# Altium PCB TempdevAmmy1009.PcbDoc (part 3 of 4) (continued)
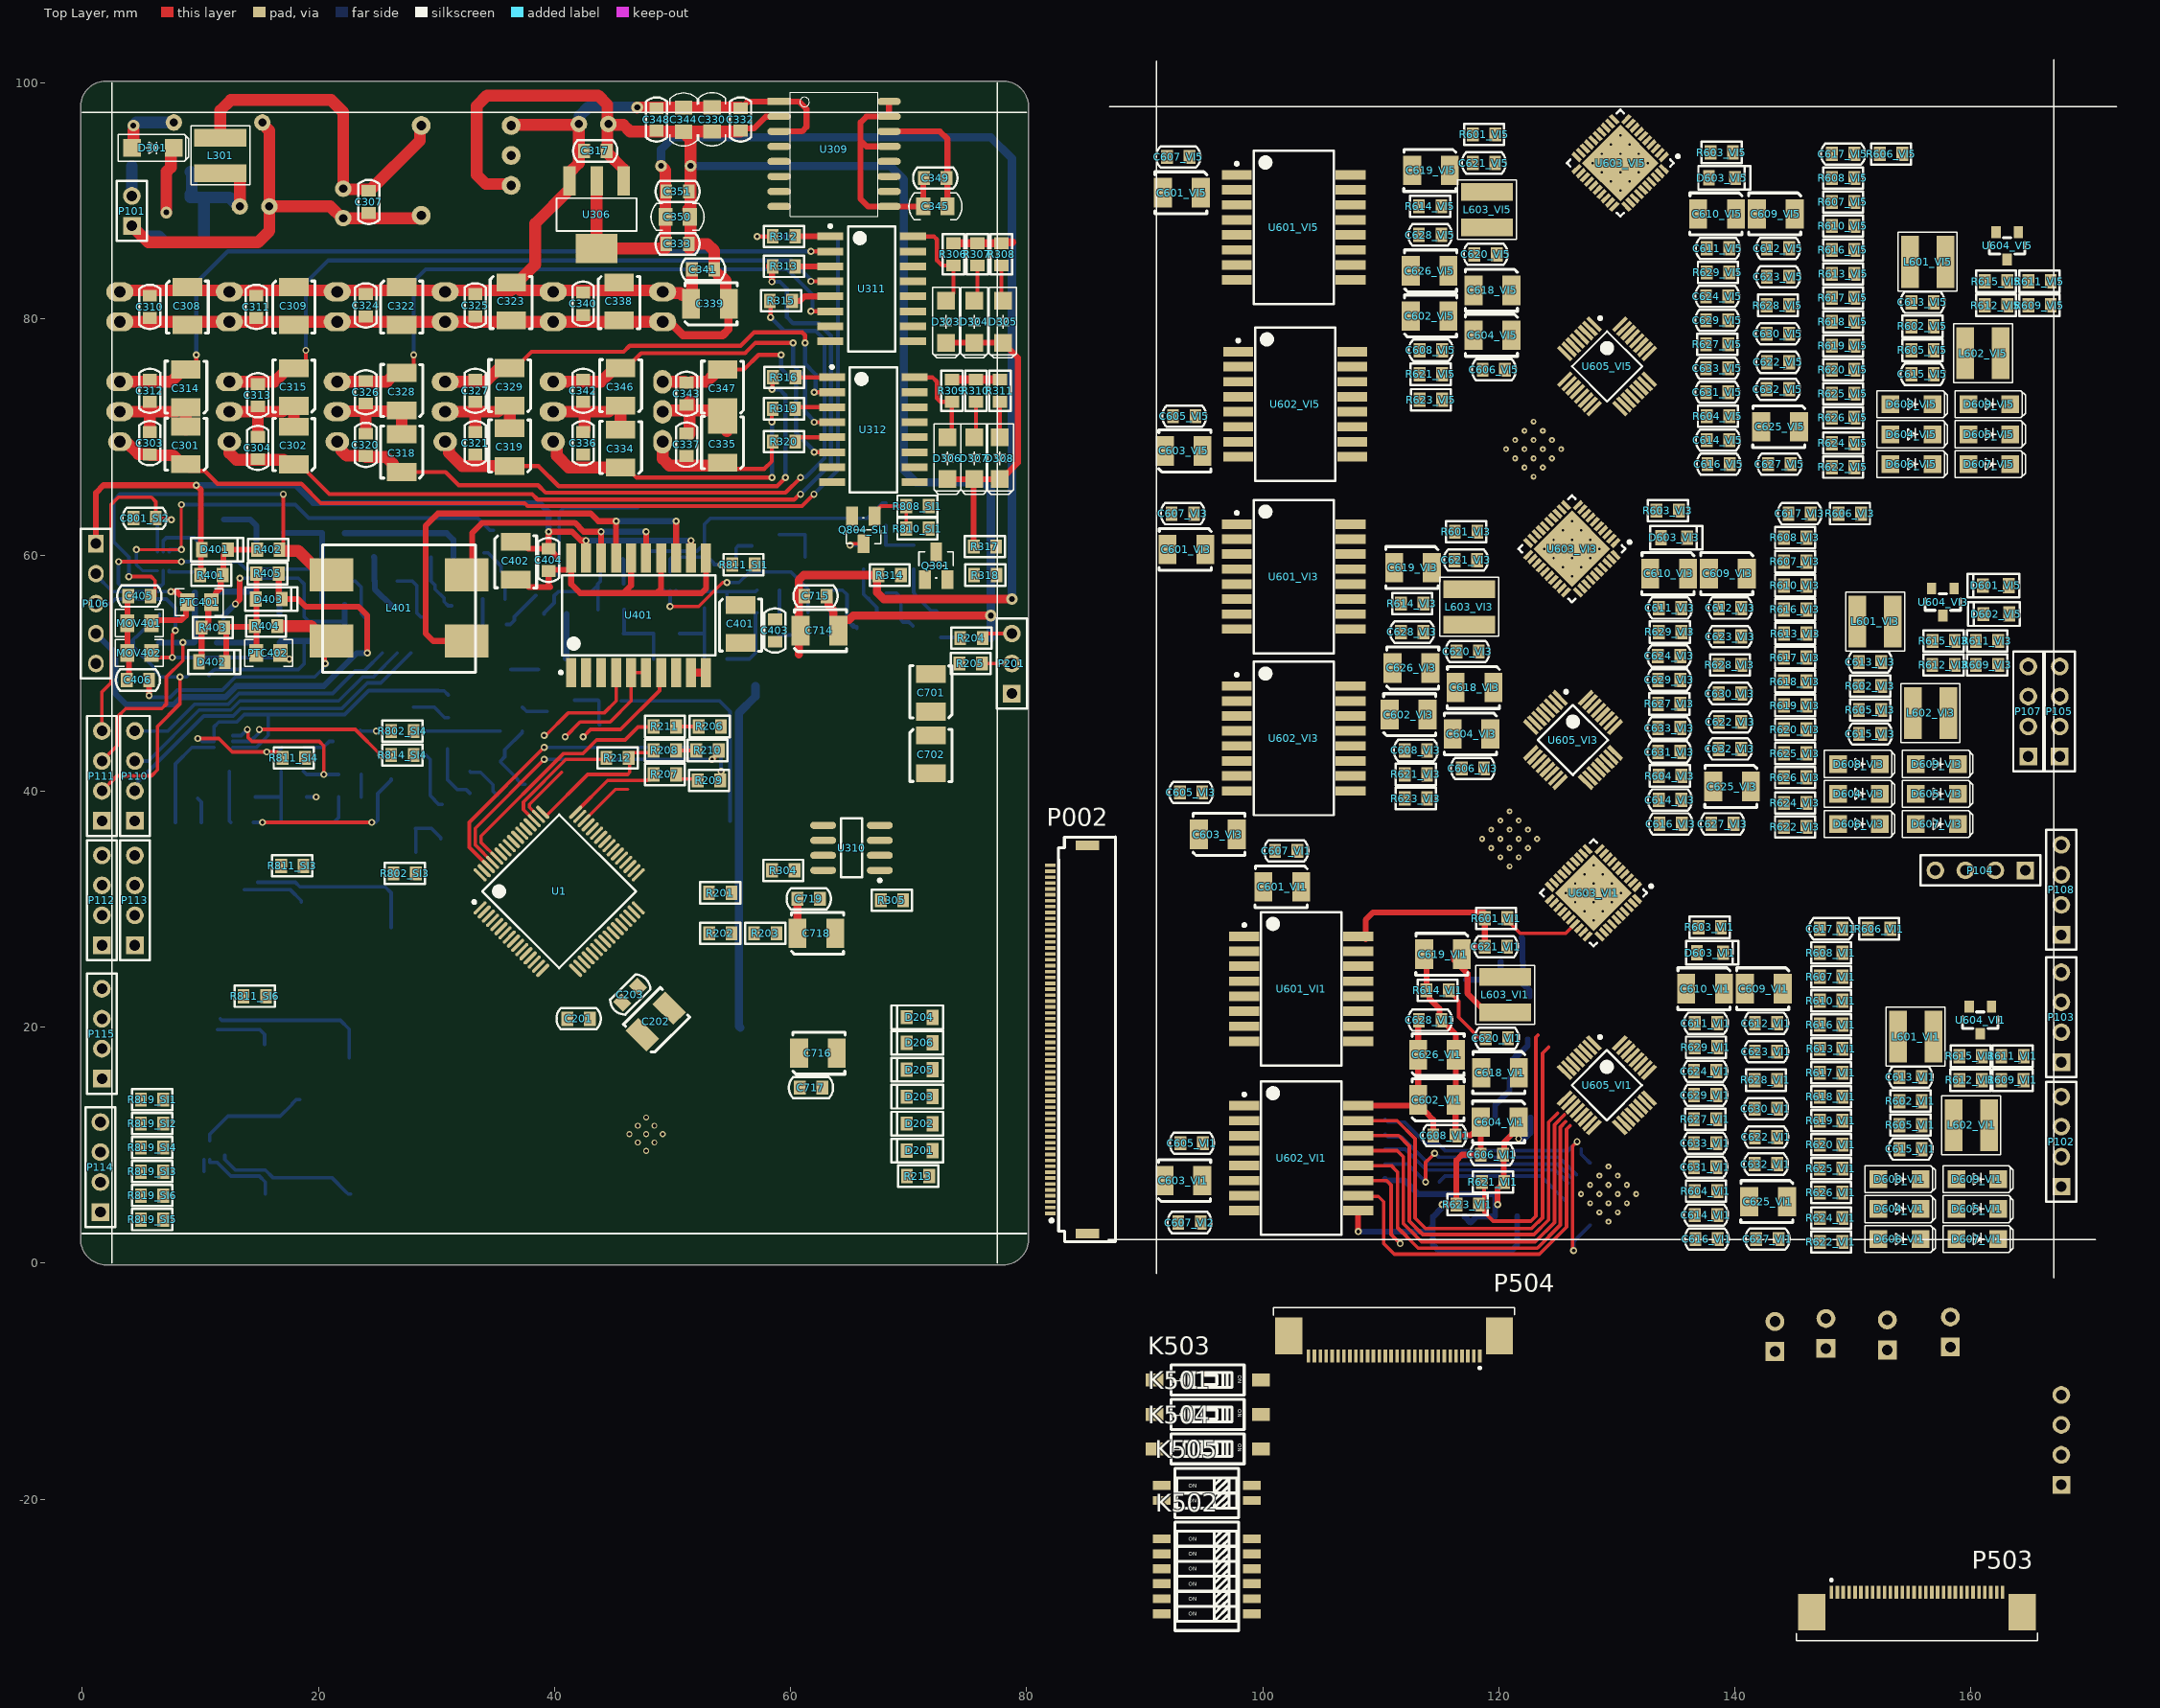
[diagram p0: Top Layer view]
## Nets (pads, with @x,y where several pads share a name; then routed paths per layer and width w, separated by ;. In a path a pad name is that pad's centre, name@x,y a point inside that pad or via, vN(x,y) a via of type N, cw(c..) or ccw(c..) an arc to the next point about the centre after c; other vN are vias at no path point) (continued)
5VIN: C308.1 C309.1 C310.2 C311.2 C316.1 C317.2 C322.1 C323.1 C324.2 C325.2 C330.1 C332.2 C338.1 C339.1 C340.2 C341.2 C344.1 C348.2 U301.1 U302.1 U303.5 U304.1 U305.1 U306.3 U307.1 U308.1 U309.1 U309.3 | length 98.7
  Top Layer w0.5: C332.2@55.753,97.933 55.903,97.933 56.395,98.425 U309.1@59.026,98.425 60.706,98.425 61.341,97.79 61.341,96.266 60.96,95.885 U309.3@59.026,95.885
  Top Layer w1: U301.1@3.175,82.296 3.29,82.411 C323.1@36.322,82.411 ; C323.1@36.322,82.767 C323.1@37.072,82.767 ; C323.1@36.322,83.083 C323.1@36.81,83.083 ; U303.5@36.322,96.393 36.386,96.456 41.993,96.456 C316.1@42.057,96.52 42.057,93.197 41.261,92.401 U306.3@41.261,91.694 41.261,90.987 38.354,88.08 38.354,84.607 37.072,83.325 37.072,82.837 C323.1@36.81,82.575 ; C323.1@37.072,82.411 U308.1@49.149,82.411 ; v4@46.99,97.917 v4(47.006,97.933) 48.641,97.933 C332.2@55.753,97.933 ; U308.1@49.149,82.296 49.264,82.181 50.661,82.181 50.812,82.03 51.3,82.03 C339.1@51.562,81.768 ; C339.1@51.562,81.28 C339.1@51.562,81.768 ; C341.2@51.628,84.201 51.628,81.834 C339.1@51.562,81.768
  Bottom Layer w1: C316.1@42.057,96.52 42.134,96.597 42.134,97.224 42.843,97.933 v4(47.006,97.933)
5VLDO: R609_VI1.1 R609_VI2.1 R609_VI3.1 R609_VI4.1 R609_VI5.1 R609_VI6.1 R611_VI1.1 R611_VI2.1 R611_VI3.1 R611_VI4.1 R611_VI5.1 R611_VI6.1 R612_VI1.1 R612_VI2.1 R612_VI3.1 R612_VI4.1 R612_VI5.1 R612_VI6.1 U603_VI1.3 U603_VI2.3 U603_VI3.3 U603_VI4.3 U603_VI5.3 U603_VI6.3 U604_VI1.1 U604_VI2.1 U604_VI3.1 U604_VI4.1 U604_VI5.1 U604_VI6.1
15V1: C301.1 C303.1 C609_VI1.1 C612_VI1.1 D605_VI1.2 D607_VI1.2 D609_VI1.2 R312.2 R609_VI1.2 R611_VI1.2 U301.6 U603_VI1.2 | length 91.6
  Top Layer w0.35: C301.1@8.763,67.412 9.038,67.137 10.333,67.137 11.43,66.04 18.542,66.04 20.193,64.389 37.465,64.389 37.719,64.135 60.96,64.135 v2(61.976,65.151) ; v2(57.15,86.995) R312.2@58.404,86.995 ; R312.2@58.357,86.948 R312.2@58.404,86.995 ; R312.2@58.486,86.995 R312.2@58.404,86.995
  Top Layer w1: U301.6@3.175,69.596 3.687,69.596 4.73,68.553 5.615,68.553 5.715,68.453 7.681,68.453 C301.1@8.267,67.867
  Bottom Layer w0.35: v2(57.15,86.995) 63.754,86.995 64.008,86.741 64.008,67.183 v2(61.976,65.151)
15V2: C302.1 C304.1 C609_VI2.1 C612_VI2.1 D605_VI2.2 D607_VI2.2 D609_VI2.2 R313.2 R609_VI2.2 R611_VI2.2 U302.6 U603_VI2.2 | length 75.3
  Top Layer w0.35: C302.1@17.907,67.666 18.395,67.666 20.91,65.151 38.1,65.151 38.566,64.685 60.299,64.685 60.765,65.151 v2(60.833,65.151)
  Top Layer w0.5: v2(58.404,83.145) 58.423,83.164 58.423,84.436 R313.2@58.404,84.455
  Top Layer w1: U302.6@12.446,69.596 12.446,68.642 13.032,68.056 14.859,68.056 17.029,68.056 17.419,67.666 C302.1@17.907,67.666 ; R313.2@58.404,84.455 R313.2@58.42,84.439
  Bottom Layer w0.35: v2(58.404,83.145) 59.095,83.145 59.69,82.55 59.69,80.137 60.198,79.629 62.357,79.629 63.415,78.571 63.415,67.717 60.849,65.151 v2(60.833,65.151)
15V3: C318.1 C320.1 C609_VI3.1 C612_VI3.1 D605_VI3.2 D607_VI3.2 D609_VI3.2 R315.2 R609_VI3.2 R611_VI3.2 U304.6 U603_VI3.2 | length 61.6
  Top Layer w0.35: C318.1@27.051,67.031 30.759,67.031 31.877,65.913 38.608,65.913 39.243,65.278 59.563,65.278 v2(60.833,66.548) ; R315.2@58.232,81.534 58.293,81.473 v2(58.293,80.137)
  Top Layer w1: U304.6@21.59,69.596 21.628,69.596 21.905,69.319 21.905,68.896 22.391,68.41 23.903,68.41 24.003,68.31 25.715,68.31 26.301,67.724 26.301,67.293 26.563,67.031 C318.1@27.051,67.031
  Bottom Layer w0.35: v2(58.293,80.137) 59.436,78.994 62.103,78.994 62.865,78.232 62.865,68.199 61.257,66.591 60.876,66.591 v2(60.833,66.548)
15V4: C319.1 C321.1 C609_VI4.1 C612_VI4.1 D605_VI4.2 D607_VI4.2 D609_VI4.2 R316.2 R609_VI4.2 R611_VI4.2 U305.6 U603_VI4.2 | length 40.5
  Top Layer w0.35: C319.1@36.195,67.539 38.633,67.539 40.344,65.828 58.843,65.828 v2(59.563,66.548) ; v2(58.42,74.041) 58.461,74.082 58.461,75.016 R316.2@58.502,75.057
  Top Layer w1: U305.6@30.734,69.596 30.772,69.596 31.049,69.319 31.049,68.658 32.168,67.539 C319.1@36.195,67.539
  Bottom Layer w0.35: v2(58.42,74.041) 59.055,74.041 59.563,73.533 v2(59.563,66.548)
15V5: C334.1 C336.1 C609_VI5.1 C612_VI5.1 D605_VI5.2 D607_VI5.2 D609_VI5.2 R319.2 R609_VI5.2 R611_VI5.2 U307.6 U603_VI5.2 | length 26.3
  Top Layer w0.35: C334.1@45.593,67.412 46.081,67.412 46.945,66.548 v2(58.42,66.548) ; v2(58.404,71.263) R319.2@58.404,72.39
  Top Layer w1: U307.6@39.878,69.596 39.916,69.596 40.193,69.319 40.193,68.404 41.185,67.412 C334.1@45.593,67.412
  Bottom Layer w0.35: v2@58.404,71.39 58.412,71.382 58.412,66.556 v2(58.42,66.548)
15V6: C335.1 C337.1 C609_VI6.1 C612_VI6.1 D605_VI6.2 D607_VI6.2 D609_VI6.2 R320.2 R609_VI6.2 R611_VI6.2 U308.6 U603_VI6.2 | length 12.9
  Top Layer w0.35: C335.1@54.229,67.285 57.76,67.285 58.404,67.929 R320.2@58.404,69.596
  Top Layer w1: U308.6@49.149,69.596 49.155,69.59 49.155,68.15 49.741,67.564 54.127,67.564 C335.1@54.229,67.666
485WR/RD: U1.11 U401.5 U401.6 | length 10.5
  Top Layer w0.3: v2(40.894,44.577) 42.164,45.847 44.704,45.847 46.482,47.625 U401.5@46.482,50.038 U401.6@47.752,50.038
+VS_VI1: D602_VI1.2 D604_VI1.2 D605_VI1.1 P102.1 R608_VI1.1
+VS_VI2: D602_VI2.2 D604_VI2.2 D605_VI2.1 P103.1 R608_VI2.1
+VS_VI3: D602_VI3.2 D604_VI3.2 D605_VI3.1 P104.1 R608_VI3.1
+VS_VI4: D602_VI4.2 D604_VI4.2 D605_VI4.1 P105.1 R608_VI4.1
+VS_VI5: D602_VI5.2 D604_VI5.2 D605_VI5.1 P107.1 R608_VI5.1
+VS_VI6: D602_VI6.2 D604_VI6.2 D605_VI6.1 P108.1 R608_VI6.1
+VSENSE_VI1: R607_VI1.2 R608_VI1.2 U603_VI1.36
+VSENSE_VI2: R607_VI2.2 R608_VI2.2 U603_VI2.36
+VSENSE_VI3: R607_VI3.2 R608_VI3.2 U603_VI3.36
+VSENSE_VI4: R607_VI4.2 R608_VI4.2 U603_VI4.36
+VSENSE_VI5: R607_VI5.2 R608_VI5.2 U603_VI5.36
+VSENSE_VI6: R607_VI6.2 R608_VI6.2 U603_VI6.36
-15V1: C312.1 C314.2 C610_VI1.2 C611_VI1.1 D604_VI1.1 D606_VI1.1 D608_VI1.1 U301.4 U311.2 U603_VI1.29 | length 69.9
  Top Layer w0.35: C314.2@9.35,76.304 C314.2@8.763,75.717 9.065,75.717 9.652,76.304 v2(9.652,76.962) ; v2(61.722,85.725) U311.2@63.358,85.725
  Top Layer w1: U301.4@3.175,74.676 7.513,74.676 8.529,75.692 C314.2@9.017,75.692
  Bottom Layer w0.35: v2(9.652,76.962) 9.652,83.058 12.319,85.725 v2@61.849,85.725
-15V2: C313.1 C315.2 C610_VI2.2 C611_VI2.1 D604_VI2.1 D606_VI2.1 D608_VI2.1 U302.4 U311.4 U603_VI2.29 | length 60.8
  Top Layer w0.35: C315.2@18.494,76.406 C315.2@17.907,75.819 18.336,75.819 18.923,76.406 v2(18.923,77.343) ; v2(61.722,83.185) U311.4@63.358,83.185
  Top Layer w1: U302.4@12.446,74.676 16.276,74.676 17.419,75.819 C315.2@17.907,75.819
  Bottom Layer w0.35: v2(18.923,77.343) 18.923,83.058 20.828,84.963 60.071,84.963 v2@61.849,83.185
-15V3: C326.1 C328.2 C610_VI3.2 C611_VI3.1 D604_VI3.1 D606_VI3.1 D608_VI3.1 U304.4 U311.6 U603_VI3.29 | length 53
  Top Layer w0.35: C328.2@26.563,75.438 C328.2@27.051,75.438 ; C328.2@27.559,75.946 C328.2@27.051,75.438 ; v2(28.067,76.962) 28.067,76.025 27.48,75.438 C328.2@27.051,75.438 ; v2(61.722,80.645) U311.6@63.358,80.645
  Top Layer w1: U304.4@21.59,74.676 25.801,74.676 C328.2@26.563,75.438
  Bottom Layer w0.35: v2(28.067,76.962) 28.067,83.185 29.083,84.201 59.69,84.201 61.849,82.042 v2@61.849,80.645
-15V4: C327.1 C329.2 C610_VI4.2 C611_VI4.1 D604_VI4.1 D606_VI4.1 D608_VI4.1 U305.4 U312.2 U603_VI4.29 | length 38.2
  Top Layer w0.35: C329.2@36.195,75.844 36.683,75.844 38.055,77.216 45.847,77.216 46.355,77.724 55.753,77.724 56.896,78.867 60.96,78.867 61.214,78.613 v2(61.214,77.978) ; v2(61.991,73.787) U312.2@63.5,73.787
  Top Layer w1: U305.4@30.734,74.676 34.158,74.676 C329.2@35.367,75.885
  Bottom Layer w0.35: v2(61.214,77.978) 61.214,76.2 62.103,75.311 v2@62.103,73.787
-15V5: C342.1 C346.2 C610_VI5.2 C611_VI5.1 D604_VI5.1 D606_VI5.1 D608_VI5.1 U307.4 U312.4 U603_VI5.29 | length 30.7
  Top Layer w0.35: C346.2@45.593,75.844 46.081,75.844 47.326,77.089 56.134,77.089 57.023,77.978 v2(60.198,77.978) ; v2(61.991,71.247) U312.4@63.5,71.247
  Top Layer w1: U307.4@39.878,74.676 42.418,74.676 43.937,74.676 45.105,75.844 C346.2@45.593,75.844
  Bottom Layer w0.35: v2(60.198,77.978) 60.198,76.073 61.214,75.057 61.214,72.136 v2@62.103,71.247
-15V6: C343.1 C347.2 C610_VI6.2 C611_VI6.1 D604_VI6.1 D606_VI6.1 D608_VI6.1 U308.4 U312.6 U603_VI6.29 | length 22.2
  Top Layer w0.35: C347.2@54.229,75.717 56.032,75.717 57.277,76.962 v2(59.182,76.962) ; v2(61.991,68.707) U312.6@63.5,68.707
  Top Layer w1: U308.4@49.149,74.676 51.015,74.676 51.081,74.61 51.574,74.61 51.64,74.676 52.893,74.676 53.479,75.262 53.479,75.455 53.741,75.717 C347.2@54.229,75.717
  Bottom Layer w0.35: v2@59.182,77.089 59.182,75.819 60.452,74.549 60.452,70.358 v2@62.103,68.707
-VS_VI1: C301.2 C303.2 C312.2 C314.1 C609_VI1.2 C610_VI1.1 C611_VI1.2 C612_VI1.2 C614_VI1.2 C616_VI1.1 D601_VI1.1 D602_VI1.1 D603_VI1.1 D603_VI1.2 D606_VI1.2 D607_VI1.1 P102.3 P102.4 R602_VI1.1 R605_VI1.1 R610_VI1.1 R613_VI1.2 R615_VI1.2 R617_VI1.2 R619_VI1.2 R622_VI1.2 R625_VI1.2 U301.5 U603_VI1.5 U603_VI1.6 U604_VI1.3 | length 10
  Top Layer w1: U301.5@3.175,72.136 5.715,72.136 ; C303.2@5.715,70.501 5.715,72.136 ; C312.2@5.715,72.882 5.715,72.136 ; C301.2@8.763,70.612 C314.1@8.763,72.517 8.275,72.517 7.894,72.136 5.715,72.136
-VS_VI2: C302.2 C304.2 C313.2 C315.1 C609_VI2.2 C610_VI2.1 C611_VI2.2 C612_VI2.2 C614_VI2.2 C616_VI2.1 D601_VI2.1 D602_VI2.1 D603_VI2.1 D603_VI2.2 D606_VI2.2 D607_VI2.1 P103.3 P103.4 R602_VI2.1 R605_VI2.1 R610_VI2.1 R613_VI2.2 R615_VI2.2 R617_VI2.2 R619_VI2.2 R622_VI2.2 R625_VI2.2 U302.5 U603_VI2.5 U603_VI2.6 U604_VI2.3 | length 9.7
  Top Layer w1: U302.5@12.446,72.136 C313.2@14.859,72.136 ; C304.2@14.859,70.104 C313.2@14.859,72.136 ; C313.2@14.859,72.501 C313.2@14.859,72.136 ; C302.2@17.907,70.866 17.907,72.357 17.645,72.619 17.419,72.619 16.936,72.136 C313.2@14.859,72.136
-VS_VI3: C318.2 C320.2 C326.2 C328.1 C609_VI3.2 C610_VI3.1 C611_VI3.2 C612_VI3.2 C614_VI3.2 C616_VI3.1 D601_VI3.1 D602_VI3.1 D603_VI3.1 D603_VI3.2 D606_VI3.2 D607_VI3.1 P104.3 P104.4 R602_VI3.1 R605_VI3.1 R610_VI3.1 R613_VI3.2 R615_VI3.2 R617_VI3.2 R619_VI3.2 R622_VI3.2 R625_VI3.2 U304.5 U603_VI3.5 U603_VI3.6 U604_VI3.3 | length 9.8
  Top Layer w1: U304.5@21.59,72.136 21.641,72.187 24.003,72.187 ; C320.2@24.003,70.358 24.003,72.187 ; C326.2@24.003,72.755 24.003,72.187 ; C318.2@27.051,70.231 27.051,72.136 27,72.187 24.003,72.187
-VS_VI4: C319.2 C321.2 C327.2 C329.1 C609_VI4.2 C610_VI4.1 C611_VI4.2 C612_VI4.2 C614_VI4.2 C616_VI4.1 D601_VI4.1 D602_VI4.1 D603_VI4.1 D603_VI4.2 D606_VI4.2 D607_VI4.1 P105.3 P105.4 R602_VI4.1 R605_VI4.1 R610_VI4.1 R613_VI4.2 R615_VI4.2 R617_VI4.2 R619_VI4.2 R622_VI4.2 R625_VI4.2 U305.5 U603_VI4.5 U603_VI4.6 U604_VI4.3 | length 9.8
  Top Layer w1: U305.5@30.734,72.136 33.274,72.136 ; C321.2@33.274,70.501 33.274,72.136 ; C327.2@33.274,72.882 33.274,72.136 ; C319.2@36.195,70.739 36.195,72.382 35.933,72.644 35.707,72.644 35.199,72.136 33.274,72.136
-VS_VI5: C334.2 C336.2 C342.2 C346.1 C609_VI5.2 C610_VI5.1 C611_VI5.2 C612_VI5.2 C614_VI5.2 C616_VI5.1 D601_VI5.1 D602_VI5.1 D603_VI5.1 D603_VI5.2 D606_VI5.2 D607_VI5.1 P107.3 P107.4 R602_VI5.1 R605_VI5.1 R610_VI5.1 R613_VI5.2 R615_VI5.2 R617_VI5.2 R619_VI5.2 R622_VI5.2 R625_VI5.2 U307.5 U603_VI5.5 U603_VI5.6 U604_VI5.3 | length 9.7
  Top Layer w1: U307.5@39.878,72.136 42.545,72.136 ; C336.2@42.418,70.501 42.445,70.501 42.545,70.601 42.545,72.136 ; C334.2@45.593,70.612 C346.1@45.593,72.644 45.105,72.644 44.597,72.136 42.545,72.136
-VS_VI6: C335.2 C337.2 C343.2 C347.1 C609_VI6.2 C610_VI6.1 C611_VI6.2 C612_VI6.2 C614_VI6.2 C616_VI6.1 D601_VI6.1 D602_VI6.1 D603_VI6.1 D603_VI6.2 D606_VI6.2 D607_VI6.1 P108.3 P108.4 R602_VI6.1 R605_VI6.1 R610_VI6.1 R613_VI6.2 R615_VI6.2 R617_VI6.2 R619_VI6.2 R622_VI6.2 R625_VI6.2 U308.5 U603_VI6.5 U603_VI6.6 U604_VI6.3 | length 10
  Top Layer w1: U308.5@49.149,72.136 49.264,72.251 51.181,72.251 C343.2@51.435,72.251 ; C337.2@51.435,70.247 C343.2@51.435,72.251 ; C343.2@51.435,73.009 51.435,72.71 C343.2@51.435,72.251 ; C335.2@54.61,70.485 54.61,72.128 54.487,72.251 C343.2@51.435,72.251
-VSENSE_VI1: R610_VI1.2 U603_VI1.34
-VSENSE_VI2: R610_VI2.2 U603_VI2.34
-VSENSE_VI3: R610_VI3.2 U603_VI3.34
-VSENSE_VI4: R610_VI4.2 U603_VI4.34
-VSENSE_VI5: R610_VI5.2 U603_VI5.34
-VSENSE_VI6: R610_VI6.2 U603_VI6.34
AD0_VI1: R622_VI1.1 R624_VI1.2 U603_VI1.26
AD0_VI2: R622_VI2.1 R624_VI2.2 U603_VI2.26
AD0_VI3: R622_VI3.1 R624_VI3.2 U603_VI3.26
AD0_VI4: R622_VI4.1 R624_VI4.2 U603_VI4.26
AD0_VI5: R622_VI5.1 R624_VI5.2 U603_VI5.26
AD0_VI6: R622_VI6.1 R624_VI6.2 U603_VI6.26
AD1_VI1: R625_VI1.1 R626_VI1.2 U603_VI1.25
AD1_VI2: R625_VI2.1 R626_VI2.2 U603_VI2.25
AD1_VI3: R625_VI3.1 R626_VI3.2 U603_VI3.25
AD1_VI4: R625_VI4.1 R626_VI4.2 U603_VI4.25
AD1_VI5: R625_VI5.1 R626_VI5.2 U603_VI5.25
AD1_VI6: R625_VI6.1 R626_VI6.2 U603_VI6.25
ADC1_VI1: U603_VI1.4
ADC1_VI2: U603_VI2.4
ADC1_VI3: U603_VI3.4
ADC1_VI4: U603_VI4.4
ADC1_VI5: U603_VI5.4
ADC1_VI6: U603_VI6.4
ADC2_VI1: U603_VI1.38
ADC2_VI2: U603_VI2.38
ADC2_VI3: U603_VI3.38
ADC2_VI4: U603_VI4.38
ADC2_VI5: U603_VI5.38
ADC2_VI6: U603_VI6.38
ADC\S\: U701.32 U704.14
ADC_C\S\: U1.34 U704.3
ADC_DIN: U1.31 U704.5
ADC_DOUT: R201.2 U1.30 U704.6
ADC_SCLK: R202.2 R203.1 U1.29 U704.4
ADDIN: U701.29 U704.12
ADDOUT: U701.28 U704.11
ADSCLK: U701.30 U704.13
ADSTATUS: R522.1 U1.23
AIN12: R706.2 R707.2 U701.18
AIN13: R818_SI1.1 R818_SI2.1 R818_SI3.1 R818_SI4.1 R818_SI5.1 R818_SI6.1 U701.19
AVLDO: C618_VI1.1 C618_VI2.1 C618_VI3.1 C618_VI4.1 C618_VI5.1 C618_VI6.1 C620_VI1.1 C620_VI2.1 C620_VI3.1 C620_VI4.1 C620_VI5.1 C620_VI6.1 C625_VI1.1 C625_VI2.1 C625_VI3.1 C625_VI4.1 C625_VI5.1 C625_VI6.1 C627_VI1.1 C627_VI2.1 C627_VI3.1 C627_VI4.1 C627_VI5.1 C627_VI6.1 L603_VI1.1 L603_VI2.1 L603_VI3.1 L603_VI4.1 L603_VI5.1 L603_VI6.1 U603_VI1.12 U603_VI2.12 U603_VI3.12 U603_VI4.12 U603_VI5.12 U603_VI6.12 U605_VI1.23 U605_VI2.23 U605_VI3.23 U605_VI4.23 U605_VI5.23 U605_VI6.23 | length 8.2
  Bottom Layer w0.5: L603_VI2.1@119.682,11.938 119.682,13.388 120.903,14.609 120.903,15.625 C620_VI2.1@121.153,15.875 121.153,17.225 121.497,17.569 121.587,17.569 122.453,18.435 C618_VI2.1@122.453,18.923
AVLDOGND: C618_VI1.2 C618_VI2.2 C618_VI3.2 C618_VI4.2 C618_VI5.2 C618_VI6.2 C620_VI1.2 C620_VI2.2 C620_VI3.2 C620_VI4.2 C620_VI5.2 C620_VI6.2 C623_VI1.1 C623_VI2.1 C623_VI3.1 C623_VI4.1 C623_VI5.1 C623_VI6.1 C625_VI1.2 C625_VI2.2 C625_VI3.2 C625_VI4.2 C625_VI5.2 C625_VI6.2 C627_VI1.2 C627_VI2.2 C627_VI3.2 C627_VI4.2 C627_VI5.2 C627_VI6.2 C629_VI1.1 C629_VI2.1 C629_VI3.1 C629_VI4.1 C629_VI5.1 C629_VI6.1 C630_VI1.1 C630_VI2.1 C630_VI3.1 C630_VI4.1 C630_VI5.1 C630_VI6.1 C632_VI1.2 C632_VI2.2 C632_VI3.2 C632_VI4.2 C632_VI5.2 C632_VI6.2 C633_VI1.2 C633_VI2.2 C633_VI3.2 C633_VI4.2 C633_VI5.2 C633_VI6.2 R614_VI1.1 R614_VI2.1 R614_VI3.1 R614_VI4.1 R614_VI5.1 R614_VI6.1 R628_VI1.2 R628_VI2.2 R628_VI3.2 R628_VI4.2 R628_VI5.2 R628_VI6.2 U605_VI1.26 U605_VI2.26 U605_VI3.26 U605_VI4.26 U605_VI5.26 U605_VI6.26 | length 6.3
  Top Layer w0.3: R614_VI1.1@115.758,23.114 115.758,23.014 116.586,22.186 116.586,20.828 C620_VI1.2@118.745,18.669 ; C620_VI1.2@118.527,19.5 118.877,19.15 C620_VI1.2@118.877,19.05
AVSS: C702.2 C704.2 C705.2 C707.2 C709.1 C710.1 C711.2 C713.2 C801_SI1.2 C801_SI2.2 C801_SI3.2 C801_SI4.2 C801_SI5.2 C801_SI6.2 C802_SI1.1 C802_SI2.1 C802_SI3.1 C802_SI4.1 C802_SI5.1 C802_SI6.1 C803_SI1.2 C803_SI2.2 C803_SI3.2 C803_SI4.2 C803_SI5.2 C803_SI6.2 C805_SI1.2 C805_SI2.2 C805_SI3.2 C805_SI4.2 C805_SI5.2 C805_SI6.2 D801_SI1.1 D801_SI2.1 D801_SI3.1 D801_SI4.1 D801_SI5.1 D801_SI6.1 D802_SI1.1 D802_SI2.1 D802_SI3.1 D802_SI4.1 D802_SI5.1 D802_SI6.1 D804_SI1.1 D804_SI2.1 D804_SI3.1 D804_SI4.1 D804_SI5.1 D804_SI6.1 L702.2 Q803_SI1.3 Q803_SI2.3 Q803_SI3.3 Q803_SI4.3 Q803_SI5.3 Q803_SI6.3 R704.1 R806_SI1.2 R806_SI2.2 R806_SI3.2 R806_SI4.2 R806_SI5.2 R806_SI6.2 R809_SI1.2 R809_SI2.2 R809_SI3.2 R809_SI4.2 R809_SI5.2 R809_SI6.2 R810_SI1.2 R810_SI2.2 R810_SI3.2 R810_SI4.2 R810_SI5.2 R810_SI6.2 R811_SI1.1 R811_SI2.1 R811_SI3.1 R811_SI4.1 R811_SI5.1 R811_SI6.1 R814_SI1.1 R814_SI2.1 R814_SI3.1 R814_SI4.1 R814_SI5.1 R814_SI6.1 U701.23 | length 42.3
  Top Layer w0.5: v2(12.954,55.853) 13.335,56.234 v2(13.335,58.039)
  Bottom Layer w0.3: C801_SI4.2@9.774,39.37 10.074,39.07 D801_SI4.1@10.074,37.338 ; v2(13.335,58.039) 18.288,58.039 18.796,57.531 18.796,54.737 19.177,54.356 22.093,54.356 22.22,54.229 ; D802_SI4.1@19.007,39.497 v2(19.812,39.497) ; C803_SI4.2@23.617,39.497 C802_SI4.1@23.617,41.402 ; R810_SI4.2@39.116,54.991 39.116,55.091 39.97,55.945 39.97,56.546 R810_SI2.2@40.32,56.896 43.112,56.896 43.647,57.431 D801_SI1.1@43.647,57.531 ; D804_SI1.1@43.688,55.372 43.688,57.49 D801_SI1.1@43.647,57.531 ; C801_SI1.2@43.881,59.69 43.881,57.765 D801_SI1.1@43.647,57.531 ; C803_SI1.2@59.05,55.118 C802_SI1.1@59.05,57.023 ; C805_SI1.2@63.307,53.213 63.368,53.274 R814_SI1.1@63.368,55.118 ; Q803_SI1.3@72.705,53.015 74.843,53.015 L702.2@74.93,53.102
  Bottom Layer w0.5: D802_SI2.1@11.938,54.737 11.938,54.837 v2(12.954,55.853) ; C803_SI2.2@16.698,54.991 C802_SI2.1@16.698,57.023 ; C805_SI2.2@22.22,52.959 22.22,54.229 R814_SI2.1@22.22,55.753
BUTTON1: K501.2 R513.2 U1.15
BUTTON2: K503.2 R514.2 U1.14
BUTTON3: K504.2 R515.2 U1.8
BUTTON4: K505.2 R516.2 U1.7
BUTTON5A: K502.12 R507.2 U1.6
BUTTON5B: K502.11 R508.2 U1.5
BUTTON5C: K502.10 R509.2 U1.4
BUTTON5D: K502.9 R510.2 U1.3
BUTTON5E: K502.8 R511.2 U1.2
BUTTON5F: K502.7 R512.2 U1.1
CCOMP_VI1: C617_VI1.2 U603_VI1.35
CCOMP_VI2: C617_VI2.2 U603_VI2.35
CCOMP_VI3: C617_VI3.2 U603_VI3.35
CCOMP_VI4: C617_VI4.2 U603_VI4.35
CCOMP_VI5: C617_VI5.2 U603_VI5.35
CCOMP_VI6: C617_VI6.2 U603_VI6.35
CD/IRQ_VI1: U602_VI1.11 U605_VI1.7 | length 8.2
  Top Layer w0.3: U602_VI1.11@108.076,6.985 110.49,6.985 110.871,6.604 110.871,2.413 v2(111.633,1.651)
CD/IRQ_VI2: U602_VI2.11 U605_VI2.7
CD/IRQ_VI3: U602_VI3.11 U605_VI3.7
CD/IRQ_VI4: U602_VI4.11 U605_VI4.7
CD/IRQ_VI5: U602_VI5.11 U605_VI5.7
CD/IRQ_VI6: U602_VI6.11 U605_VI6.7
CHART_VI1: C614_VI1.1 C631_VI1.1 R604_VI1.1
CHART_VI2: C614_VI2.1 C631_VI2.1 R604_VI2.1
CHART_VI3: C614_VI3.1 C631_VI3.1 R604_VI3.1
CHART_VI4: C614_VI4.1 C631_VI4.1 R604_VI4.1
CHART_VI5: C614_VI5.1 C631_VI5.1 R604_VI5.1
CHART_VI6: C614_VI6.1 C631_VI6.1 R604_VI6.1
CHN8_N: C706.2 C707.1 R703.1 U701.21
CHN8_P: C705.1 C706.1 R702.1 U701.20
CHNN1: C804_SI1.2 C805_SI1.1 R817_SI1.1 U701.5 | length 2.4
  Bottom Layer w0.3: C804_SI1.2@58.989,53.213 C805_SI1.1@61.407,53.213
CHNN2: C804_SI2.2 C805_SI2.1 R817_SI2.1 U701.7 | length 14
  Bottom Layer w0.3: R817_SI2.1@10.729,49.784 10.729,49.884 11.079,50.234 11.179,50.234 11.237,50.292 18.288,50.292 18.796,50.8 18.796,52.705
  Bottom Layer w0.5: C804_SI2.2@16.698,52.578 16.825,52.705 18.796,52.705 C805_SI2.1@20.193,52.705
CHNN3: C804_SI3.2 C805_SI3.1 R817_SI3.1 U701.9
CHNN4: C804_SI4.2 C805_SI4.1 R817_SI4.1 U701.11 | length 15.6
  Top Layer w0.3: v2(15.24,37.338) v2(24.511,37.338)
  Bottom Layer w0.3: R817_SI4.1@14.473,37.338 v2(15.24,37.338) ; C804_SI4.2@23.556,37.338 v2(24.511,37.338) 24.843,37.338 25.019,37.514 25.019,39.778 26.162,40.921 C805_SI4.1@26.162,41.021
CHNN5: C804_SI5.2 C805_SI5.1 R817_SI5.1 U701.15
CHNN6: C804_SI6.2 C805_SI6.1 R817_SI6.1 U701.17
CHNP1: C803_SI1.1 C804_SI1.1 R816_SI1.1 U701.4 | length 6.1
  Bottom Layer w0.3: R816_SI1.1@54.605,51.181 56.515,51.181 57.023,51.689 57.023,54.991 C803_SI1.1@57.15,55.118
CHNP2: C803_SI2.1 C804_SI2.1 R816_SI2.1 U701.6 | length 5.5
  Bottom Layer w0.5: R816_SI2.1@11.364,52.578 C804_SI2.1@14.798,52.578 C803_SI2.1@14.798,54.61
CHNP3: C803_SI3.1 C804_SI3.1 R816_SI3.1 U701.8
CHNP4: C803_SI4.1 C804_SI4.1 R816_SI4.1 U701.10 | length 5
  Bottom Layer w0.3: R816_SI4.1@18.664,37.338 21.306,37.338 C804_SI4.1@21.656,37.688 ; C804_SI4.1@21.656,37.719 C804_SI4.1@21.656,37.688 ; C803_SI4.1@21.717,39.497 21.717,37.749 C804_SI4.1@21.656,37.688
CHNP5: C803_SI5.1 C804_SI5.1 R816_SI5.1 U701.14
CHNP6: C803_SI6.1 C804_SI6.1 R816_SI6.1 U701.16
CHNxO\N\1: U1.39 U702.2
CHNxO\N\2: U1.38 U702.3
CHNxO\N\3: U1.37 U702.4
CHNxO\N\4: U1.36 U702.5
CHNxO\N\5: U1.35 U702.6
CHNxO\N\6: U1.33 U702.7
CHNxO\N\_SI1: R808_SI1.2 U702.15
CHNxO\N\_SI2: R808_SI2.2 U702.14 | length 12.1
  Bottom Layer w0.3: 40.32,58.293 R808_SI2.2@40.32,58.928 ; R808_SI2.2@40.381,58.928 40.381,63.622 40.767,64.008 47.028,64.008
CHNxO\N\_SI3: R808_SI3.2 U702.13
CHNxO\N\_SI4: R808_SI4.2 U702.12
CHNxO\N\_SI5: R808_SI5.2 U702.11
CHNxO\N\_SI6: R808_SI6.2 U702.10
CLKOUT_VI1: U603_VI1.21
CLKOUT_VI2: U603_VI2.21
CLKOUT_VI3: U603_VI3.21
CLKOUT_VI4: U603_VI4.21
CLKOUT_VI5: U603_VI5.21
CLKOUT_VI6: U603_VI6.21
D+: C506.1 D502.1 D504.2 R204.2 R502.2 R503.1
D-: C506.2 D505.2 D507.2 R205.2 R504.1 R505.1
DA_F\A\L\U\T\_VI1: D201.2 U601_VI1.7
DA_F\A\L\U\T\_VI2: D202.2 U601_VI2.7
DA_F\A\L\U\T\_VI3: D203.2 U601_VI3.7
DA_F\A\L\U\T\_VI4: D204.2 U601_VI4.7
DA_F\A\L\U\T\_VI5: D205.2 U601_VI5.7
DA_F\A\L\U\T\_VI6: D206.2 U601_VI6.7
DA_L\D\A\C\: U1.52 U601_VI1.6 U601_VI2.6 U601_VI3.6 U601_VI4.6 U601_VI5.6 U601_VI6.6
DA_R\E\S\E\T\: U1.53 U602_VI1.2 U602_VI2.2 U602_VI3.2 U602_VI4.2 U602_VI5.2 U602_VI6.2
DA_S\Y\N\C\_VI1: U1.59 U601_VI1.2
DA_S\Y\N\C\_VI2: U1.58 U601_VI2.2
DA_S\Y\N\C\_VI3: U1.57 U601_VI3.2
DA_S\Y\N\C\_VI4: U1.56 U601_VI4.2
DA_S\Y\N\C\_VI5: U1.55 U601_VI5.2
DA_S\Y\N\C\_VI6: U1.54 U601_VI6.2
DA_SCLK: R206.2 U1.50 U601_VI1.3 U601_VI2.3 U601_VI3.3 U601_VI4.3 U601_VI5.3 U601_VI6.3 | length 5.2
  Top Layer w0.3: U1.50@38.636,37.842 37.864,38.614 37.864,38.863 40.585,41.584
DA_SDI: R207.2 U1.48 U601_VI1.4 U601_VI2.4 U601_VI3.4 U601_VI4.4 U601_VI5.4 U601_VI6.4 | length 8.2
  Top Layer w0.3: U1.48@41.783,38.196 44.481,40.894 47.866,40.894 47.924,40.952 48.042,40.952 48.392,41.302 R207.2@48.392,41.402 ; R207.2@48.646,41.275 R207.2@48.773,41.402
DA_SDO: R208.2 R212.2 U1.49 U601_VI1.5 U601_VI2.5 U601_VI3.5 U601_VI4.5 U601_VI5.5 U601_VI6.5 | length 12.8
  Top Layer w0.3: U1.49@38.989,38.196 39.29,37.895 42.797,41.402 46.179,41.402 46.355,41.578 46.355,43.241 48.199,43.241 R208.2@48.392,43.434
DAGND: U601_VI1.9 U601_VI2.9 U601_VI3.9 U601_VI4.9 U601_VI5.9 U601_VI6.9
DASTATUS: R524.1 U1.22
DUPLEX/SDI_VI1: U602_VI1.12 U605_VI1.12 | length 32.5
  Top Layer w0.3: U602_VI1.12@108.076,8.255 110.871,8.255 111.403,7.723 111.403,3.024 113.16,1.267 123.242,1.267 125.206,3.231 125.206,11.519 125.677,11.991
DUPLEX/SDI_VI2: U602_VI2.12 U605_VI2.12
DUPLEX/SDI_VI3: U602_VI3.12 U605_VI3.12
DUPLEX/SDI_VI4: U602_VI4.12 U605_VI4.12
DUPLEX/SDI_VI5: U602_VI5.12 U605_VI5.12
DUPLEX/SDI_VI6: U602_VI6.12 U605_VI6.12
DVLDO: C602_VI1.1 C602_VI2.1 C602_VI3.1 C602_VI4.1 C602_VI5.1 C602_VI6.1 C604_VI1.1 C604_VI2.1 C604_VI3.1 C604_VI4.1 C604_VI5.1 C604_VI6.1 C606_VI1.1 C606_VI2.1 C606_VI3.1 C606_VI4.1 C606_VI5.1 C606_VI6.1 C608_VI1.1 C608_VI2.1 C608_VI3.1 C608_VI4.1 C608_VI5.1 C608_VI6.1 C619_VI1.1 C619_VI2.1 C619_VI3.1 C619_VI4.1 C619_VI5.1 C619_VI6.1 C621_VI1.1 C621_VI2.1 C621_VI3.1 C621_VI4.1 C621_VI5.1 C621_VI6.1 C626_VI1.1 C626_VI2.1 C626_VI3.1 C626_VI4.1 C626_VI5.1 C626_VI6.1 C628_VI1.1 C628_VI2.1 C628_VI3.1 C628_VI4.1 C628_VI5.1 C628_VI6.1 L603_VI1.2 L603_VI2.2 L603_VI3.2 L603_VI4.2 L603_VI5.2 L603_VI6.2 R601_VI1.1 R601_VI2.1 R601_VI3.1 R601_VI4.1 R601_VI5.1 R601_VI6.1 R616_VI1.1 R616_VI2.1 R616_VI3.1 R616_VI4.1 R616_VI5.1 R616_VI6.1 R618_VI1.1 R618_VI2.1 R618_VI3.1 R618_VI4.1 R618_VI5.1 R618_VI6.1 R620_VI1.1 R620_VI2.1 R620_VI3.1 R620_VI4.1 R620_VI5.1 R620_VI6.1 R621_VI1.1 R621_VI2.1 R621_VI3.1 R621_VI4.1 R621_VI5.1 R621_VI6.1 R624_VI1.1 R624_VI2.1 R624_VI3.1 R624_VI4.1 R624_VI5.1 R624_VI6.1 R626_VI1.1 R626_VI2.1 R626_VI3.1 R626_VI4.1 R626_VI5.1 R626_VI6.1 U601_VI1.16 U601_VI2.16 U601_VI3.16 U601_VI4.16 U601_VI5.16 U601_VI6.16 U602_VI1.16 U602_VI2.16 U602_VI3.16 U602_VI4.16 U602_VI5.16 U602_VI6.16 U603_VI1.13 U603_VI2.13 U603_VI3.13 U603_VI4.13 U603_VI5.13 U603_VI6.13 U605_VI1.2 U605_VI1.5 U605_VI1.9 U605_VI1.14 U605_VI2.2 U605_VI2.5 U605_VI2.9 U605_VI2.14 U605_VI3.2 U605_VI3.5 U605_VI3.9 U605_VI3.14 U605_VI4.2 U605_VI4.5 U605_VI4.9 U605_VI4.14 U605_VI5.2 U605_VI5.5 U605_VI5.9 U605_VI5.14 U605_VI6.2 U605_VI6.5 U605_VI6.9 U605_VI6.14 | length 70
  Top Layer w0.5: U602_VI1.16@108.711,13.335 112.665,13.335 C602_VI1.1@113.157,13.827 ; U601_VI1.16@108.712,27.432 108.712,29.083 109.347,29.718 R601_VI1.1@118.745,29.718 ; 113.157,19.9 C626_VI1.1@113.157,17.653 C602_VI1.1@113.157,13.827 ; C628_VI1.1@113.223,20.474 C628_VI1.1@113.223,20.574 ; C608_VI1.1@114.429,10.793 C608_VI1.1@114.432,10.795 114.432,12.145 113.75,12.827 113.669,12.827 113.157,13.339 C602_VI1.1@113.157,13.827 ; R601_VI1.1@118.811,29.21 118.803,29.202 118.803,26.805 C621_VI1.1@118.795,26.797 116.717,26.797 116.205,26.285 116.205,25.674 117.348,24.531 117.348,22.831 118.946,21.233 L603_VI1.2@120.396,21.233 ; v2(119.888,4.953) 119.888,6.289 R621_VI1.1@120.457,6.858 ; R621_VI1.1@120.442,7.162 120.396,7.208 120.396,9.178 120.441,9.224 120.441,10.235 C604_VI1.1@121.666,11.46 ; v2(121.666,10.541) C604_VI1.1@121.666,11.46 ; C604_VI1.1@121.666,11.948 C604_VI1.1@121.666,11.46
  Bottom Layer w0.5: U601_VI2.16@110.362,7.112 110.465,7.009 111.99,7.009 113.157,5.842 119.573,5.842 119.667,5.748 119.667,3.97 C621_VI2.1@119.634,3.937 118.11,3.937 C619_VI2.1@117.602,3.429 C619_VI2.1@117.09,3.941 ; v2(121.666,10.541) 122.182,10.541 122.682,11.041 L603_VI2.2@122.682,12.319 ; R621_VI2.1@121.92,27.559 121.983,27.495 121.983,25.59 C606_VI2.1@122.047,25.527 122.047,23.627 122.58,23.094 C604_VI2.1@122.58,22.606
DVLDOGND_VI1: C602_VI1.2 C602_VI2.2 C602_VI3.2 C602_VI4.2 C602_VI5.2 C602_VI6.2 C604_VI1.2 C604_VI2.2 C604_VI3.2 C604_VI4.2 C604_VI5.2 C604_VI6.2 C606_VI1.2 C606_VI2.2 C606_VI3.2 C606_VI4.2 C606_VI5.2 C606_VI6.2 C608_VI1.2 C608_VI2.2 C608_VI3.2 C608_VI4.2 C608_VI5.2 C608_VI6.2 C619_VI1.2 C619_VI2.2 C619_VI3.2 C619_VI4.2 C619_VI5.2 C619_VI6.2 C621_VI1.2 C621_VI2.2 C621_VI3.2 C621_VI4.2 C621_VI5.2 C621_VI6.2 C626_VI1.2 C626_VI2.2 C626_VI3.2 C626_VI4.2 C626_VI5.2 C626_VI6.2 C628_VI1.2 C628_VI2.2 C628_VI3.2 C628_VI4.2 C628_VI5.2 C628_VI6.2 R614_VI1.2 R614_VI2.2 R614_VI3.2 R614_VI4.2 R614_VI5.2 R614_VI6.2 R623_VI1.2 R623_VI2.2 R623_VI3.2 R623_VI4.2 R623_VI5.2 R623_VI6.2 U602_VI1.9 U602_VI2.9 U602_VI3.9 U602_VI4.9 U602_VI5.9 U602_VI6.9 U603_VI1.15 U603_VI2.15 U603_VI3.15 U603_VI4.15 U603_VI5.15 U603_VI6.15 U605_VI1.4 U605_VI1.15 U605_VI1.29 U605_VI2.4 U605_VI2.15 U605_VI2.29 U605_VI3.4 U605_VI3.15 U605_VI3.29 U605_VI4.4 U605_VI4.15 U605_VI4.29 U605_VI5.4 U605_VI5.15 U605_VI5.29 U605_VI6.4 U605_VI6.15 U605_VI6.29 | length 54.2
  Top Layer w0.5: U602_VI1.9@108.076,4.445 v2(108.077,2.667) v2(108.077,2.667) ; 113.858,24.821 R614_VI1.2@113.858,23.114 114.108,22.864 114.108,22.417 114.957,21.568 114.957,20.74 C628_VI1.2@115.123,20.574 ; C628_VI1.2@115.123,20.624 116.357,19.39 C626_VI1.2@116.357,17.653 C602_VI1.2@116.357,13.827 116.332,13.802 116.332,10.845 116.357,10.82 117.582,10.82 118.46,11.698 C606_VI1.2@118.46,9.178 116.874,9.178 116.398,8.702 R623_VI1.2@116.398,4.953 v2(115.189,4.953) ; C604_VI1.2@118.466,11.948 C604_VI1.2@118.669,11.745
  Bottom Layer w0.5: v2(108.077,2.667) 113.89,2.667 C619_VI2.2@114.402,3.179 ; v2@115.17,5.073 v2@115.189,5.054 ; v2(115.189,4.953) 115.17,4.934 115.17,4.685 114.402,3.917 C619_VI2.2@114.402,3.429 C619_VI2.2@114.402,3.179 ; C608_VI2.2@117.221,24.003 120.005,24.003 120.147,23.861 C606_VI2.2@120.147,25.527 ; C621_VI2.2@121.534,3.937 121.534,1.519 121.158,1.143 114.808,1.143 114.402,1.549 C619_VI2.2@114.402,3.179
F\A\L\U\T\_VI1: R601_VI1.2 U601_VI1.10 U603_VI1.27 | length 6.7
  Top Layer w0.3: R601_VI1.2@120.711,29.21 121.061,28.86 121.061,28.672 121.793,27.94 125.648,27.94 125.987,28.279 U603_VI1.27@126.443,28.735
F\A\L\U\T\_VI2: R601_VI2.2 U601_VI2.10 U603_VI2.27 | length 1.5
  Bottom Layer w0.3: 126.967,9.652 126.967,9.222 127.257,8.932 U603_VI2.27@127.713,8.476
F\A\L\U\T\_VI3: R601_VI3.2 U601_VI3.10 U603_VI3.27